# Allegro board rfmc_frontend_v1_00.brd (continued)
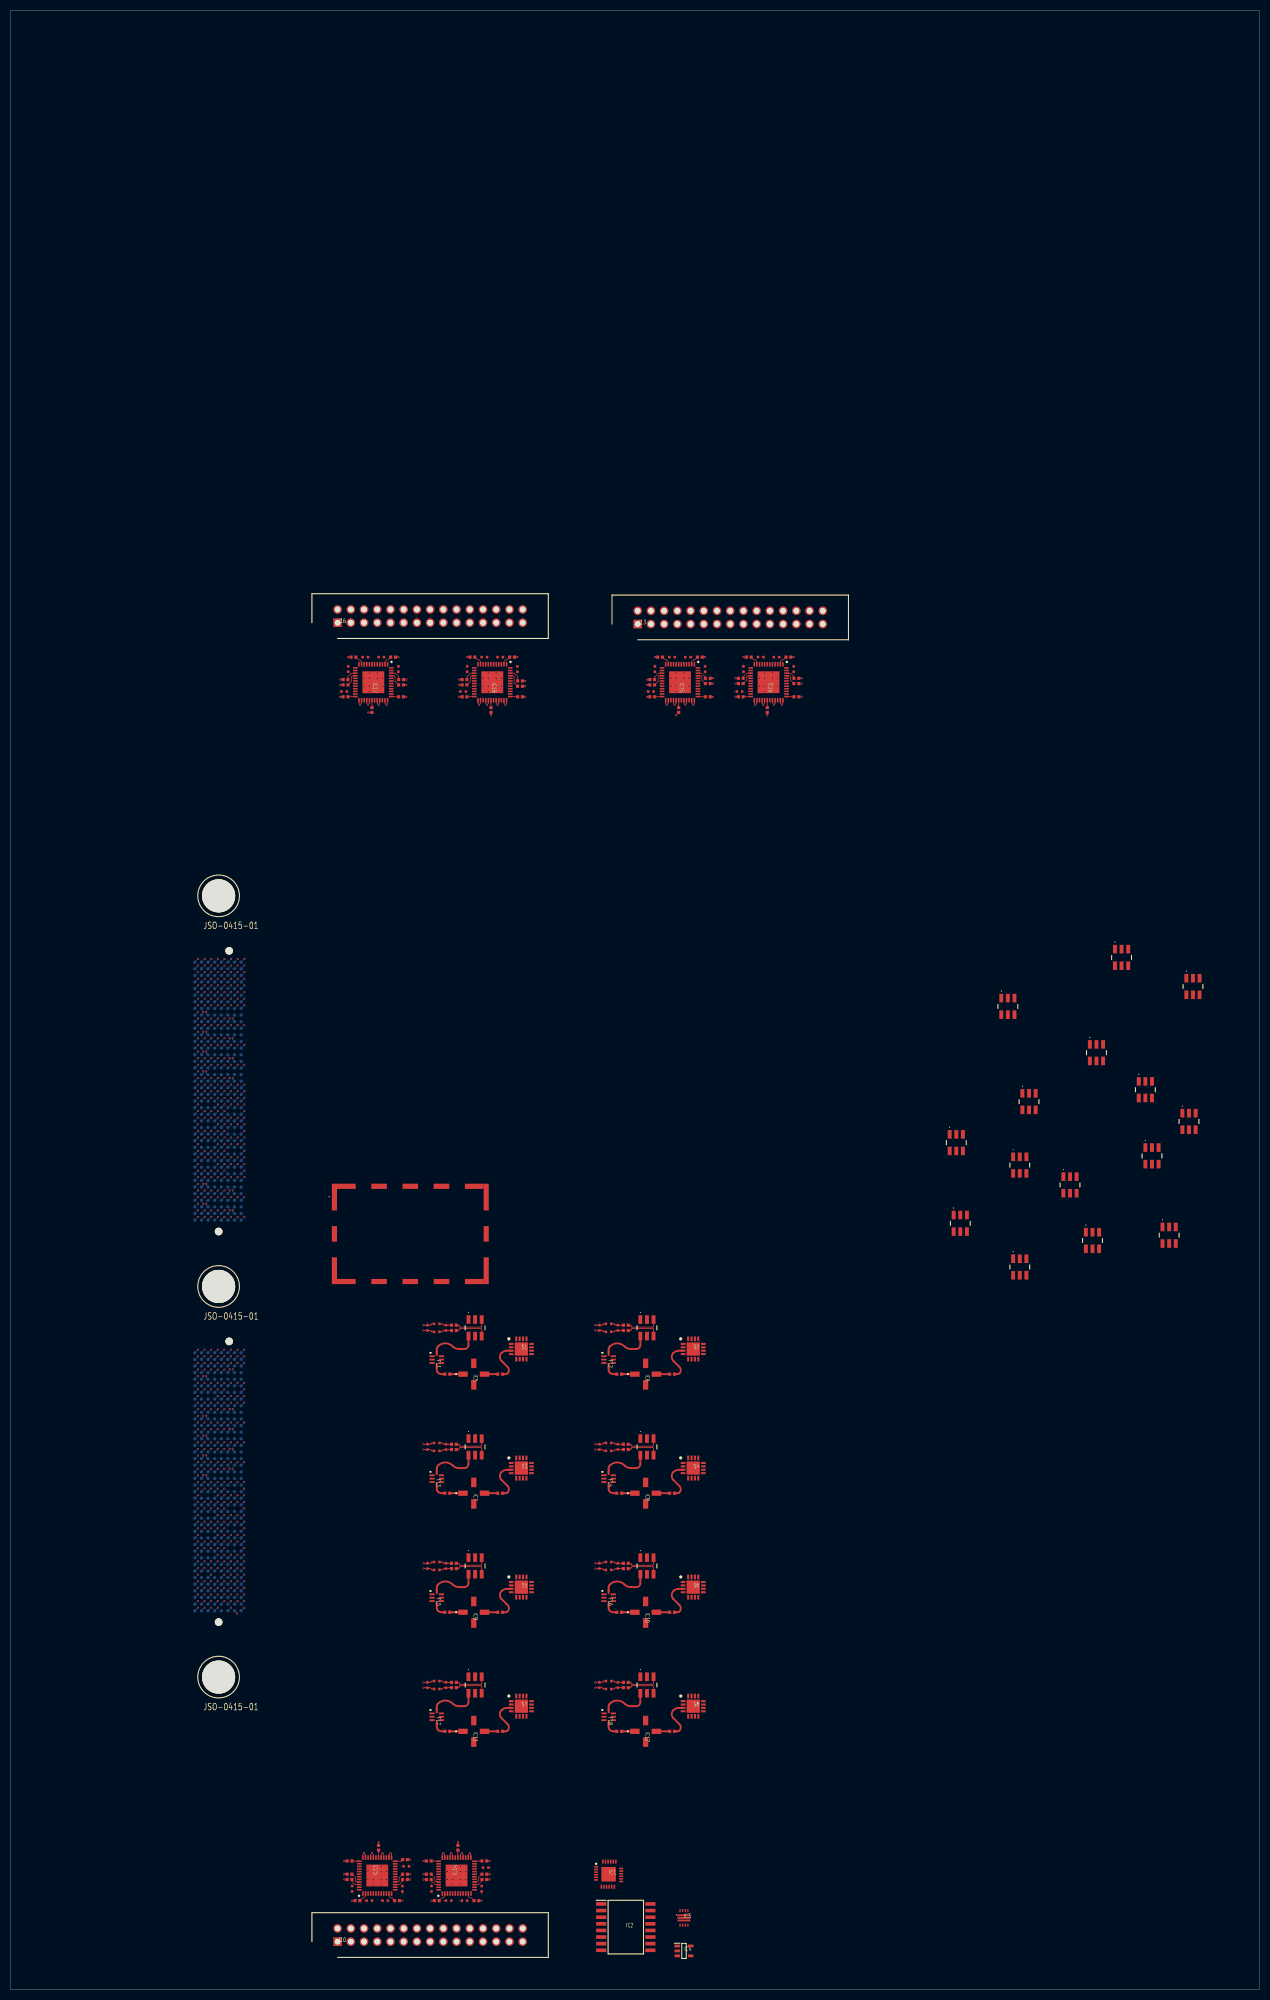
[diagram p0: board, top side]
## Routing (per net, layer and track width the routed paths; a pad name or vN(x,y) marks a point on that pad's centre or on a via; arc(x,y) is an arc through that point) (continued)
ADC_00_N: length 10.8
  RF_SIG w0.124: v1(37.63,187.74) 37.62,187.74 37.5,187.86 arc(37.45,188.1) 37.65,188.24 37.66,188.24 arc(38,188.17) 38.29,187.99 arc(38.42,187.9) 38.57,187.87 46.86,187.87
  BOTTOM w0.124: J21.F9 37.63,187.45 v1(37.63,187.74)
ADC_00_P: length 11.3
  RF_SIG w0.124: v1(37.04,187.74) 37.04,187.38 arc(37.06,187.29) 37.12,187.21 37.12,187.2 arc(37.26,187.11) 37.42,187.08 arc(37.55,187.1) 37.66,187.18 37.71,187.23 arc(38.13,187.51) 38.62,187.6 46.86,187.6
  BOTTOM w0.124: J21.G9 37.04,187.45 v1(37.04,187.74)
ADC_01_N: length 10.8
  RF_SIG w0.124: 51.94,186.6 43.65,186.6 arc(43.5,186.63) 43.37,186.72 arc(43.08,186.9) 42.74,186.97 42.73,186.97 arc(42.53,186.83) 42.58,186.59 42.7,186.47 v1(42.71,186.47)
  BOTTOM w0.124: v1(42.71,186.47) 42.71,186.18 J21.B10
ADC_01_P: length 11.3
  RF_SIG w0.124: 51.94,186.33 43.7,186.33 arc(43.21,186.24) 42.79,185.96 42.74,185.91 arc(42.63,185.83) 42.5,185.81 arc(42.34,185.84) 42.2,185.93 42.2,185.94 arc(42.14,186.02) 42.12,186.11 v1(42.12,186.47)
  BOTTOM w0.124: v1(42.12,186.47) 42.12,186.18 J21.C10
ADC_02_N: length 10.8
  RF_SIG w0.124: 46.86,184.06 38.57,184.06 arc(38.42,184.09) 38.29,184.18 arc(38,184.36) 37.66,184.43 37.65,184.43 arc(37.45,184.29) 37.5,184.05 37.62,183.93 v1(37.63,183.93)
  BOTTOM w0.124: J21.F12 37.63,183.64 v1(37.63,183.93)
ADC_02_P: length 11.3
  RF_SIG w0.124: 46.86,183.79 38.62,183.79 arc(38.13,183.7) 37.71,183.42 37.66,183.37 arc(37.55,183.29) 37.42,183.27 arc(37.26,183.3) 37.12,183.39 37.12,183.4 arc(37.06,183.48) 37.04,183.57 v1(37.04,183.93)
  BOTTOM w0.124: v1(37.04,183.93) 37.04,183.64 J21.G12
ADC_03_N: length 10.8
  RF_SIG w0.124: 51.94,182.79 43.65,182.79 arc(43.5,182.82) 43.37,182.91 arc(43.08,183.09) 42.74,183.16 42.73,183.16 arc(42.53,183.02) 42.58,182.78 42.7,182.66 v1(42.71,182.66)
  BOTTOM w0.124: J21.B13 42.71,182.37 v1(42.71,182.66)
ADC_03_P: length 11.3
  RF_SIG w0.124: v1(42.12,182.66) 42.12,182.3 arc(42.14,182.21) 42.2,182.13 42.2,182.12 arc(42.34,182.03) 42.5,182 arc(42.63,182.02) 42.74,182.1 42.79,182.15 arc(43.21,182.43) 43.7,182.52 51.94,182.52
  BOTTOM w0.124: v1(42.12,182.66) 42.12,182.37 J21.C13
ADC_04_N: length 10.8
  RF_SIG w0.124: v1(37.63,180.12) 37.62,180.12 37.5,180.24 arc(37.45,180.48) 37.65,180.62 37.66,180.62 arc(38,180.55) 38.29,180.37 arc(38.42,180.28) 38.57,180.25 46.86,180.25
  BOTTOM w0.124: v1(37.63,180.12) 37.63,179.83 J21.F15
ADC_04_P: length 11.3
  RF_SIG w0.124: 46.86,179.98 38.62,179.98 arc(38.13,179.89) 37.71,179.61 37.66,179.56 arc(37.55,179.48) 37.42,179.46 arc(37.26,179.49) 37.12,179.58 37.12,179.59 arc(37.06,179.67) 37.04,179.76 v1(37.04,180.12)
  BOTTOM w0.124: J21.G15 37.04,179.83 v1(37.04,180.12)
ADC_05_N: length 10.8
  RF_SIG w0.124: 51.94,178.98 43.65,178.98 arc(43.5,179.01) 43.37,179.1 arc(43.08,179.28) 42.74,179.35 42.73,179.35 arc(42.53,179.21) 42.58,178.97 42.7,178.85 v1(42.71,178.85)
  BOTTOM w0.124: v1(42.71,178.85) 42.71,178.56 J21.B16
ADC_05_P: length 11.3
  RF_SIG w0.124: v1(42.12,178.85) 42.12,178.49 arc(42.14,178.4) 42.2,178.32 42.2,178.31 arc(42.34,178.22) 42.5,178.19 arc(42.63,178.21) 42.74,178.29 42.79,178.34 arc(43.21,178.62) 43.7,178.71 51.94,178.71
  BOTTOM w0.124: v1(42.12,178.85) 42.12,178.56 J21.C16
ADC_06_N: length 10.8
  RF_SIG w0.124: v1(37.63,176.31) 37.62,176.31 37.5,176.43 arc(37.45,176.67) 37.65,176.81 37.66,176.81 arc(38,176.74) 38.29,176.56 arc(38.42,176.47) 38.57,176.44 46.86,176.44
  BOTTOM w0.124: v1(37.63,176.31) 37.63,176.02 J21.F18
ADC_06_P: length 11.3
  RF_SIG w0.124: 46.86,176.17 38.62,176.17 arc(38.13,176.08) 37.71,175.8 37.66,175.75 arc(37.55,175.67) 37.42,175.65 arc(37.26,175.68) 37.12,175.77 37.12,175.78 arc(37.06,175.86) 37.04,175.95 v1(37.04,176.31)
  BOTTOM w0.124: J21.G18 37.04,176.02 v1(37.04,176.31)
ADC_07_N: length 10.8
  RF_SIG w0.124: 51.94,175.17 43.65,175.17 arc(43.5,175.2) 43.37,175.29 arc(43.08,175.47) 42.74,175.54 42.73,175.54 arc(42.53,175.4) 42.58,175.16 42.7,175.04 v1(42.71,175.04)
  BOTTOM w0.124: v1(42.71,175.04) 42.71,174.75 J21.B19
ADC_07_P: length 11.3
  RF_SIG w0.124: v1(42.12,175.04) 42.12,174.68 arc(42.14,174.59) 42.2,174.51 42.2,174.5 arc(42.34,174.41) 42.5,174.38 arc(42.63,174.4) 42.74,174.48 42.79,174.53 arc(43.21,174.81) 43.7,174.9 51.94,174.9
  BOTTOM w0.124: J21.C19 42.12,174.75 v1(42.12,175.04)
ADC_CLK_N_0: length 10.8
  RF_SIG w0.124: 51.94,153.58 43.65,153.58 arc(43.5,153.61) 43.37,153.7 arc(43.08,153.88) 42.74,153.95 42.73,153.95 arc(42.53,153.81) 42.58,153.57 42.7,153.45 v1(42.71,153.45)
  BOTTOM w0.124: v1(42.71,153.45) 42.71,153.16 J21.B36
ADC_CLK_N_1: length 10.8
  RF_SIG w0.124: 46.86,154.85 38.57,154.85 arc(38.42,154.88) 38.29,154.97 arc(38,155.15) 37.66,155.22 37.65,155.22 arc(37.45,155.08) 37.5,154.84 37.62,154.72 v1(37.63,154.72)
  BOTTOM w0.124: J21.F35 37.63,154.43 v1(37.63,154.72)
ADC_CLK_N_2: length 10.8
  RF_SIG w0.124: 51.94,149.77 43.65,149.77 arc(43.5,149.8) 43.37,149.89 arc(43.08,150.07) 42.74,150.14 42.73,150.14 arc(42.53,150) 42.58,149.76 42.7,149.64 v1(42.71,149.64)
  BOTTOM w0.124: v1(42.71,149.64) 42.71,149.35 J21.B39
ADC_CLK_N_3: length 10.8
  RF_SIG w0.124: v1(37.63,150.91) 37.62,150.91 37.5,151.03 arc(37.45,151.27) 37.65,151.41 37.66,151.41 arc(38,151.34) 38.29,151.16 arc(38.42,151.07) 38.57,151.04 46.86,151.04
  BOTTOM w0.124: v1(37.63,150.91) 37.63,150.62 J21.F38
ADC_CLK_P_0: length 11.3
  RF_SIG w0.124: 51.94,153.31 43.7,153.31 arc(43.21,153.22) 42.79,152.94 42.74,152.89 arc(42.63,152.81) 42.5,152.79 arc(42.34,152.82) 42.2,152.91 42.2,152.92 arc(42.14,153) 42.12,153.09 v1(42.12,153.45)
  BOTTOM w0.124: v1(42.12,153.45) 42.12,153.16 J21.C36
ADC_CLK_P_1: length 11.3
  RF_SIG w0.124: v1(37.04,154.72) 37.04,154.36 arc(37.06,154.27) 37.12,154.19 37.12,154.18 arc(37.26,154.09) 37.42,154.06 arc(37.55,154.08) 37.66,154.16 37.71,154.21 arc(38.13,154.49) 38.62,154.58 46.86,154.58
  BOTTOM w0.124: J21.G35 37.04,154.43 v1(37.04,154.72)
ADC_CLK_P_2: length 11.3
  RF_SIG w0.124: v1(42.12,149.64) 42.12,149.28 arc(42.14,149.19) 42.2,149.11 42.2,149.1 arc(42.34,149.01) 42.5,148.98 arc(42.63,149) 42.74,149.08 42.79,149.13 arc(43.21,149.41) 43.7,149.5 51.94,149.5
  BOTTOM w0.124: J21.C39 42.12,149.35 v1(42.12,149.64)
ADC_CLK_P_3: length 11.3
  RF_SIG w0.124: v1(37.04,150.91) 37.04,150.55 arc(37.06,150.46) 37.12,150.38 37.12,150.37 arc(37.26,150.28) 37.42,150.25 arc(37.55,150.27) 37.66,150.35 37.71,150.4 arc(38.13,150.68) 38.62,150.77 46.86,150.77
  BOTTOM w0.124: v1(37.04,150.91) 37.04,150.62 J21.G38
ADCIO_00: length 122.4
  TOP w0.127: IC15.33 129.9,246.92 v1(129.66,246.69) 129.4,246.96 IC15.32
  RF_SIG w0.231: v1(129.66,246.69) 129.66,245.17 126.36,241.86 101.72,241.86 90.29,230.43 56.26,230.43 49.91,224.08 49.91,207.57 45.92,203.59 45.92,197.59 v1(44.95,196.63)
  BOTTOM w0.124: J21.A2 v1(44.95,196.63)
ADCIO_01: length 138.2
  TOP w0.127: IC16.28 144.41,246.92 v1(144.65,246.69) 144.91,246.96 IC16.29
  D_SIG w0.231: v1(44.95,194.09) 46.58,194.09 49.4,196.91 49.4,199.45 55.24,205.29 55.24,221.8 58.29,224.85 92.32,224.85 104.26,236.78 139.31,236.78 144.65,242.12 v1(144.65,246.69)
  BOTTOM w0.124: J21.A4 v1(44.95,194.09)
ADCIO_02: length 120.9
  TOP w0.127: IC15.28 127.4,246.92 v1(127.63,246.69) 127.9,246.96 IC15.29
  D_SIG w0.231: v1(43.68,197.9) 43.68,203.38 48.13,207.83 48.13,224.59 55.75,232.21 89.53,232.21 100.71,243.39 125.85,243.39 127.63,245.17 v1(127.63,246.69)
  BOTTOM w0.124: v1(43.68,197.9) J21.B1
ADCIO_03: length 125.6
  TOP w0.127: IC15.36 131.4,246.9 v1(131.19,246.69) 130.9,246.98 IC15.35
  D_SIG w0.231: v1(43.68,195.36) 44.22,195.89 45.08,195.89 47.11,197.92 47.11,202.49 51.68,207.07 51.68,223.32 57.02,228.66 91.05,228.66 102.74,240.34 127.88,240.34 131.19,243.64 v1(131.19,246.69)
  BOTTOM w0.124: v1(43.68,195.36) J21.B3
ADCIO_04: length 143.2
  TOP w0.127: IC16.36 148.41,246.9 v1(148.2,246.69) 147.91,246.98 IC16.35
  D_SIG w0.231: v1(148.2,246.69) 148.2,241.1 140.33,233.23 105.79,233.23 94.1,221.54 59.56,221.54 58.8,220.78 58.8,204.27 46.6,192.08 44.42,192.08 v1(43.68,192.82)
  BOTTOM w0.124: v1(43.68,192.82) J21.B5
ADCIO_05: length 122.5
  TOP w0.127: IC15.26 126.4,246.98 v1(126.11,246.69) 125.9,246.9 IC15.25
  RF_SIG w0.231: v1(42.41,196.63) 43.03,197.24 43.03,198.89 43.13,198.99 43.13,199.9 43.03,200.01 43.03,204.5 46.35,207.83 46.35,225.1 54.99,233.74 88.51,233.74 99.69,244.91 125.6,244.91 126.11,245.42 v1(126.11,246.69)
  BOTTOM w0.124: J21.C2 v1(42.41,196.63)
ADCIO_06: length 139.5
  TOP w0.127: IC16.26 143.41,246.98 v1(143.12,246.69) 142.91,246.9 IC16.25
  RF_SIG w0.231: v1(42.41,194.09) 42.95,194.62 46.1,194.62 48.38,196.91 48.38,200.97 53.46,206.05 53.46,222.56 57.78,226.88 91.82,226.88 103.5,238.56 138.55,238.56 143.12,243.13 v1(143.12,246.69)
  BOTTOM w0.124: J21.C4 v1(42.41,194.09)
ADCIO_07: length 108.5
  TOP w0.127: IC18.36 95.33,246.9 v1(95.12,246.69) 94.83,246.98 IC18.35
  D_SIG w0.231: v1(95.12,246.69) 95.12,242.88 87.5,235.26 37.71,235.26 34.67,232.21 34.67,206.3 40,200.97 40,199.04 v1(41.14,197.9)
  BOTTOM w0.124: J21.D1 v1(41.14,197.9)
ADCIO_08: length 109.4
  TOP w0.127: IC17.32 70.47,246.96 v1(70.73,246.69) 70.97,246.92 IC17.33
  RF_SIG w0.231: v1(41.14,195.36) 40.51,194.72 29.74,194.72 25.01,199.45 25.01,236.78 31.11,242.88 68.7,242.88 70.73,244.91 v1(70.73,246.69)
  BOTTOM w0.124: J21.D3 v1(41.14,195.36)
ADCIO_09: length 143.9
  TOP w0.127: IC16.32 146.41,246.96 v1(146.68,246.69) 146.91,246.92 IC16.33
  RF_SIG w0.231: v1(41.14,192.82) 41.68,193.35 46.86,193.35 50.54,197.03 50.54,198.3 57.02,204.78 57.02,221.29 58.8,223.07 93.09,223.07 105.02,235.01 139.82,235.01 146.68,241.86 v1(146.68,246.69)
  BOTTOM w0.124: J21.D5 v1(41.14,192.82)
ADCIO_10: length 110.3
  TOP w0.127: IC18.33 93.83,246.92 v1(93.59,246.69) 93.33,246.96 IC18.32
  RF_SIG w0.231: v1(39.87,196.63) 39.09,197.41 39.09,198.58 32.89,204.78 32.89,232.97 36.7,236.78 86.74,236.78 93.59,243.64 v1(93.59,246.69)
  BOTTOM w0.124: J21.E2 v1(39.87,196.63)
ADCIO_11: length 110.5
  TOP w0.127: IC17.29 68.97,246.96 v1(68.7,246.69) 68.47,246.92 IC17.28
  D_SIG w0.231: v1(68.7,246.69) 66.42,244.4 29.84,244.4 22.98,237.55 22.98,198.94 28.57,193.35 39.14,193.35 v1(39.87,194.09)
  BOTTOM w0.124: J21.E4 v1(39.87,194.09)
ADCIO_12: length 110.1
  TOP w0.127: IC18.29 91.83,246.96 v1(91.56,246.69) 91.33,246.92 IC18.28
  D_SIG w0.231: v1(38.6,197.9) 38.07,198.43 35.17,198.43 30.86,202.75 30.86,233.74 35.43,238.31 83.94,238.31 91.56,245.93 v1(91.56,246.69)
  BOTTOM w0.124: J21.F1 v1(38.6,197.9)
ADCIO_13: length 103.6
  TOP w0.127: IC17.35 71.97,246.98 v1(72.26,246.69) 72.47,246.9 IC17.36
  D_SIG w0.231: v1(38.6,195.36) 38.07,195.89 31.62,195.89 27.05,200.46 27.05,236.02 32.38,241.36 70.23,241.36 72.26,243.39 v1(72.26,246.69)
  BOTTOM w0.124: J21.F3 v1(38.6,195.36)
ADCIO_14: length 113.2
  TOP w0.127: IC17.25 66.97,246.9 v1(67.18,246.69) 67.47,246.98 IC17.26
  RF_SIG w0.231: v1(67.18,246.69) 66.42,245.93 28.32,245.93 20.95,238.56 20.95,198.43 27.3,192.08 37.87,192.08 v1(38.6,192.82)
  BOTTOM w0.124: J21.F5 v1(38.6,192.82)
ADCIO_15: length 112.8
  TOP w0.127: IC18.26 90.33,246.98 v1(90.04,246.69) 89.83,246.9 IC18.25
  RF_SIG w0.231: v1(37.33,196.63) 36.55,197.41 35.86,197.41 35.85,197.41 33.14,197.41 28.82,201.73 28.82,235.01 33.65,239.83 83.18,239.83 v1(90.04,246.69)
  BOTTOM w0.124: J21.G2 v1(37.33,196.63)
ADCIO_16: length 0.9
  BOTTOM w0.124: J21.G4 v1(37.33,194.09)
ADCIO_17: length 0.9
  BOTTOM w0.124: J21.H1 v1(36.06,197.9)
ADCIO_18: length 0.9
  BOTTOM w0.124: J21.H3 v1(36.06,195.36)
ADCIO_VADJ: length 1.8
  BOTTOM w0.124: J21.C6 v1(42.41,191.55) ; J21.A6 v1(44.95,191.55)
DAC_00_N: length 52.4
  TOP w0.15: R25.1 81.03,127.82 arc(80.96,127.8) 80.9,127.76 80.76,127.62 arc(80.7,127.58) 80.63,127.57 R23.1 80.12,127.56 v1(79.37,127.56)
  RF_SIG w0.124: v1(79.37,127.56) 79.03,127.23 arc(78.99,127.2) 78.95,127.19 75.68,127.19 arc(74.69,126.78) 74.27,125.79 74.27,118.39 arc(73.83,116.17) 72.58,114.29 arc(69.65,112.34) 66.2,111.65 44.57,111.65 44.44,111.78 44.44,111.95 44.32,112.07 44.19,112.07 44.06,111.95 44.06,111.78 43.94,111.65 43.7,111.65 arc(43.48,111.7) 43.3,111.82 arc(43.05,111.92) 42.79,111.82 arc(42.73,111.72) 42.71,111.61 v1(42.71,111.46)
  BOTTOM w0.124: v1(42.71,111.46) 42.71,111.18 J20.B10
DAC_00_P: length 52.5
  TOP w0.15: v1(79.37,126.55) 80.12,126.55 R23.2 80.63,126.54 arc(80.7,126.53) 80.76,126.49 80.9,126.35 arc(80.96,126.31) 81.03,126.29 R22.1
  RF_SIG w0.124: v1(79.37,126.55) 79.03,126.89 arc(78.99,126.91) 78.95,126.92 75.68,126.92 arc(74.88,126.59) 74.54,125.79 74.54,118.39 arc(74.08,116.07) 72.77,114.1 arc(69.76,112.09) 66.21,111.38 44.07,111.38 arc(44.07,111.38) 44.06,111.38 43.48,111.38 arc(43.39,111.36) 43.3,111.31 43.05,111.05 arc(42.67,110.9) 42.29,111.05 arc(42.17,111.23) 42.12,111.45 v1(42.12,111.46)
  BOTTOM w0.124: v1(42.12,111.46) 42.12,111.18 J20.C10
DAC_01_N: length 92
  TOP w0.15: v1(112.39,127.56) 113.14,127.56 R35.1 113.65,127.57 arc(113.72,127.58) 113.78,127.62 113.92,127.76 arc(113.98,127.8) 114.05,127.82 R37.1
  RF_SIG w0.124: v1(37.63,110.19) 37.63,110.34 arc(37.65,110.45) 37.71,110.55 arc(37.97,110.65) 38.22,110.55 arc(38.4,110.43) 38.62,110.38 38.98,110.38 arc(38.99,110.38) 38.99,110.38 39.87,110.38 40,110.51 40,110.68 40.12,110.8 40.25,110.8 40.38,110.68 40.38,110.51 40.51,110.38 99.37,110.38 arc(103.15,111.14) 106.36,113.28 arc(107.24,114.6) 107.55,116.15 107.55,126.04 arc(107.89,126.85) 108.7,127.19 111.97,127.19 arc(112.01,127.2) 112.05,127.23 v1(112.39,127.56)
  BOTTOM w0.124: v1(37.63,110.19) 37.63,109.91 J20.F11
DAC_01_P: length 92.2
  TOP w0.15: v1(112.39,126.55) 113.14,126.55 R35.2 113.65,126.54 arc(113.72,126.53) 113.78,126.49 113.92,126.35 arc(113.98,126.31) 114.05,126.29 R34.1
  RF_SIG w0.124: v1(112.39,126.55) 112.05,126.89 arc(112.01,126.91) 111.97,126.92 108.7,126.92 arc(108.08,126.66) 107.82,126.04 107.82,116.15 arc(107.49,114.49) 106.55,113.09 arc(103.26,110.89) 99.37,110.11 38.99,110.11 arc(38.99,110.11) 38.98,110.11 38.4,110.11 arc(38.31,110.09) 38.22,110.04 37.97,109.78 arc(37.59,109.63) 37.21,109.78 arc(37.09,109.96) 37.04,110.18 v1(37.04,110.19)
  BOTTOM w0.124: J20.G11 37.04,109.91 v1(37.04,110.19)
DAC_02_N: length 41.6
  TOP w0.15: R49.1 81.03,104.96 arc(80.96,104.94) 80.9,104.9 80.76,104.76 arc(80.7,104.72) 80.63,104.71 R47.1 80.12,104.7 v1(79.37,104.7)
  RF_SIG w0.124: v1(42.71,107.65) 42.71,107.8 arc(42.73,107.91) 42.79,108.01 arc(43.05,108.11) 43.3,108.01 arc(43.48,107.89) 43.7,107.84 44.96,107.84 45.08,107.97 45.08,108.14 45.2,108.26 45.38,108.26 45.51,108.14 45.51,107.97 45.63,107.84 64.53,107.84 arc(67.71,107.21) 70.42,105.4 arc(71.6,104.61) 73,104.33 78.95,104.33 arc(78.99,104.34) 79.03,104.37 v1(79.37,104.7)
  BOTTOM w0.124: v1(42.71,107.65) 42.71,107.37 J20.B13
DAC_02_P: length 41.7
  TOP w0.15: R46.1 81.03,103.43 arc(80.96,103.45) 80.9,103.49 80.76,103.63 arc(80.7,103.67) 80.63,103.68 R47.2 80.12,103.69 v1(79.37,103.69)
  RF_SIG w0.124: v1(79.37,103.69) 79.03,104.03 arc(78.99,104.05) 78.95,104.06 73,104.06 arc(71.5,104.36) 70.23,105.21 arc(67.61,106.96) 64.52,107.57 44.07,107.57 arc(44.07,107.57) 44.06,107.57 43.48,107.57 arc(43.39,107.55) 43.3,107.5 43.05,107.24 arc(42.67,107.09) 42.29,107.24 arc(42.17,107.42) 42.12,107.64 v1(42.12,107.65)
  BOTTOM w0.124: v1(42.12,107.65) 42.12,107.37 J20.C13
DAC_03_N: length 104.3
  TOP w0.15: v1(112.39,104.7) 113.14,104.7 R59.1 113.65,104.71 arc(113.72,104.72) 113.78,104.76 113.92,104.9 arc(113.98,104.94) 114.05,104.96 R61.1
  RF_SIG w0.124: v1(37.63,106.38) 37.63,106.53 arc(37.65,106.64) 37.71,106.74 arc(37.97,106.84) 38.22,106.74 arc(38.4,106.62) 38.62,106.57 38.98,106.57 arc(38.99,106.57) 38.99,106.57 39.87,106.57 40,106.7 40,106.86 40.12,106.99 40.3,106.99 40.43,106.86 40.43,106.7 40.55,106.57 60.72,106.57 arc(63.9,105.94) 66.61,104.13 arc(67.6,102.64) 67.96,100.88 67.96,93.78 arc(68.25,93.07) 68.96,92.78 78.35,92.78 arc(79.62,92.26) 80.15,90.99 80.15,89.97 arc(80.59,88.91) 81.66,88.46 101.72,88.46 arc(106.92,90.62) 109.07,95.81 109.07,102.93 arc(109.48,103.92) 110.48,104.33 111.97,104.33 arc(112.01,104.34) 112.05,104.37 v1(112.39,104.7)
  BOTTOM w0.124: J20.F14 37.63,106.1 v1(37.63,106.38)
DAC_03_P: length 104.5
  TOP w0.15: v1(112.39,103.69) 113.14,103.69 R59.2 113.65,103.68 arc(113.72,103.67) 113.78,103.63 113.92,103.49 arc(113.98,103.45) 114.05,103.43 R58.1
  RF_SIG w0.124: v1(112.39,103.69) 112.05,104.03 arc(112.01,104.05) 111.97,104.06 110.48,104.06 arc(109.67,103.73) 109.34,102.93 109.34,95.81 arc(107.11,90.43) 101.72,88.19 81.66,88.19 arc(80.4,88.71) 79.88,89.97 79.88,90.99 arc(79.43,92.07) 78.35,92.51 68.96,92.51 arc(68.06,92.88) 67.69,93.78 67.69,100.88 arc(67.36,102.54) 66.42,103.94 arc(63.8,105.69) 60.71,106.3 38.99,106.3 arc(38.99,106.3) 38.98,106.3 38.4,106.3 arc(38.31,106.28) 38.22,106.23 37.97,105.97 arc(37.59,105.82) 37.21,105.97 arc(37.09,106.15) 37.04,106.37 v1(37.04,106.38)
  BOTTOM w0.124: v1(37.04,106.38) 37.04,106.1 J20.G14
DAC_04_N: length 59.3
  TOP w0.15: R73.1 81.03,82.1 arc(80.96,82.08) 80.9,82.04 80.76,81.9 arc(80.7,81.86) 80.63,81.85 R71.1 80.12,81.84 v1(79.37,81.84)
  RF_SIG w0.124: v1(42.71,103.84) 42.71,103.99 arc(42.73,104.1) 42.79,104.2 arc(43.05,104.3) 43.3,104.2 arc(43.48,104.08) 43.7,104.03 45.46,104.03 45.59,104.16 45.59,104.33 45.71,104.45 45.89,104.45 46.01,104.33 46.01,104.16 46.14,104.03 60.57,104.03 arc(62.25,103.7) 63.67,102.75 arc(64.21,101.94) 64.4,100.99 64.4,92.26 arc(64.92,91.01) 66.16,90.5 72.77,90.5 arc(74.93,89.6) 75.83,87.43 75.83,82.35 arc(76.09,81.73) 76.71,81.47 78.95,81.47 arc(78.99,81.48) 79.03,81.51 v1(79.37,81.84)
  BOTTOM w0.124: J20.B16 42.71,103.56 v1(42.71,103.84)
DAC_04_P: length 59.4
  TOP w0.15: v1(79.37,80.83) 80.12,80.83 R71.2 80.63,80.82 arc(80.7,80.81) 80.76,80.77 80.9,80.63 arc(80.96,80.59) 81.03,80.57 R70.1
  RF_SIG w0.124: v1(79.37,80.83) 79.03,81.17 arc(78.99,81.19) 78.95,81.2 76.71,81.2 arc(75.9,81.54) 75.56,82.35 75.56,87.43 arc(74.74,89.41) 72.77,90.23 66.16,90.23 arc(64.73,90.82) 64.13,92.26 64.13,100.99 arc(63.96,101.84) 63.48,102.56 arc(62.15,103.45) 60.57,103.76 43.48,103.76 arc(43.39,103.74) 43.3,103.69 43.05,103.43 arc(42.67,103.28) 42.29,103.43 arc(42.17,103.61) 42.12,103.83 v1(42.12,103.84)
  BOTTOM w0.124: J20.C16 42.12,103.56 v1(42.12,103.84)
DAC_05_N: length 125.4
  TOP w0.15: R85.1 114.05,82.1 arc(113.98,82.08) 113.92,82.04 113.78,81.9 arc(113.72,81.86) 113.65,81.85 R83.1 113.14,81.84 v1(112.39,81.84)
  RF_SIG w0.124: v1(112.39,81.84) 112.05,81.51 arc(112.01,81.48) 111.97,81.47 arc(108.13,79.88) 106.55,76.05 106.55,70.92 arc(104.39,65.71) 99.18,63.56 77.31,63.56 arc(74.47,64.73) 73.29,67.58 73.29,84.13 arc(72.32,86.48) 69.97,87.45 62.92,87.45 arc(61.09,88.21) 60.34,90.04 60.34,100.21 arc(59.59,102.01) 57.78,102.76 40.67,102.76 40.51,102.93 40.51,103.26 40.38,103.39 40.21,103.39 40.08,103.26 40.08,102.89 39.95,102.76 38.99,102.76 arc(38.99,102.76) 38.98,102.76 38.62,102.76 arc(38.4,102.81) 38.22,102.93 arc(37.97,103.03) 37.71,102.93 arc(37.65,102.83) 37.63,102.72 v1(37.63,102.57)
  BOTTOM w0.124: v1(37.63,102.57) 37.63,102.29 J20.F17
DAC_05_P: length 125.2
  TOP w0.15: v1(112.39,80.83) 113.14,80.83 R83.2 113.65,80.82 arc(113.72,80.81) 113.78,80.77 113.92,80.63 arc(113.98,80.59) 114.05,80.57 R82.1
  RF_SIG w0.124: v1(37.04,102.57) 37.04,102.56 arc(37.09,102.34) 37.21,102.16 arc(37.59,102.01) 37.97,102.16 38.22,102.42 arc(38.31,102.47) 38.4,102.49 38.98,102.49 arc(38.99,102.49) 38.99,102.49 57.78,102.49 arc(59.4,101.82) 60.07,100.21 60.07,90.04 arc(60.9,88.01) 62.92,87.18 69.97,87.18 arc(72.13,86.29) 73.02,84.13 73.02,67.58 arc(74.28,64.54) 77.31,63.29 99.18,63.29 arc(104.58,65.52) 106.82,70.92 106.82,76.05 arc(108.33,79.69) 111.97,81.2 arc(112.01,81.19) 112.05,81.17 v1(112.39,80.83)
  BOTTOM w0.124: J20.G17 37.04,102.29 v1(37.04,102.57)
DAC_06_N: length 75.2
  TOP w0.15: v1(79.37,58.98) 80.12,58.98 R95.1 80.63,58.99 arc(80.7,59) 80.76,59.04 80.9,59.18 arc(80.96,59.22) 81.03,59.24 R97.1
  RF_SIG w0.124: v1(79.37,58.98) 79.03,58.65 arc(78.99,58.62) 78.95,58.61 74.89,58.61 arc(73.16,58.95) 71.69,59.94 arc(70.8,61.26) 70.5,62.81 70.5,81.84 arc(69.75,83.65) 67.94,84.4 62.43,84.4 arc(59.88,84.91) 57.72,86.35 arc(56.83,87.67) 56.53,89.23 56.53,96.14 arc(55.33,99.03) 52.45,100.22 45.63,100.22 45.51,100.35 45.51,100.52 45.38,100.64 45.2,100.64 45.08,100.52 45.08,100.35 44.96,100.22 43.7,100.22 arc(43.48,100.27) 43.3,100.39 arc(43.05,100.49) 42.79,100.39 arc(42.73,100.29) 42.71,100.18 v1(42.71,100.03)
  BOTTOM w0.124: v1(42.71,100.03) 42.71,99.75 J20.B19
DAC_06_P: length 75.4
  TOP w0.15: R94.1 81.03,57.71 arc(80.96,57.73) 80.9,57.77 80.76,57.91 arc(80.7,57.95) 80.63,57.96 R95.2 80.12,57.97 v1(79.37,57.97)
  RF_SIG w0.124: v1(79.37,57.97) 79.03,58.31 arc(78.99,58.33) 78.95,58.34 74.89,58.34 arc(73.05,58.71) 71.5,59.75 arc(70.56,61.15) 70.23,62.81 70.23,81.84 arc(69.56,83.46) 67.94,84.13 62.43,84.13 arc(59.78,84.66) 57.53,86.16 arc(56.59,87.57) 56.26,89.23 56.26,96.14 arc(55.14,98.84) 52.45,99.95 44.07,99.95 arc(44.07,99.95) 44.06,99.95 43.48,99.95 arc(43.39,99.93) 43.3,99.88 43.05,99.62 arc(42.67,99.47) 42.29,99.62 arc(42.17,99.8) 42.12,100.02 v1(42.12,100.03)
  BOTTOM w0.124: v1(42.12,100.03) 42.12,99.75 J20.C19
DAC_07_N: length 136.9
  TOP w0.15: R109.1 114.05,59.24 arc(113.98,59.22) 113.92,59.18 113.78,59.04 arc(113.72,59) 113.65,58.99 R107.1 113.14,58.98 v1(112.39,58.98)
  RF_SIG w0.124: v1(37.63,98.76) 37.63,98.91 arc(37.65,99.02) 37.71,99.12 arc(37.97,99.22) 38.22,99.12 arc(38.4,99) 38.62,98.95 38.98,98.95 arc(38.99,98.95) 38.99,98.95 39.62,98.95 39.75,99.08 39.75,99.25 39.87,99.37 40.05,99.37 40.18,99.24 40.18,99.08 40.3,98.95 50.16,98.95 arc(52.15,98.13) 52.97,96.14 52.97,86.73 arc(53.15,85.84) 53.65,85.08 arc(57.79,82.32) 62.66,81.35 65.15,81.35 arc(67.13,80.53) 67.96,78.54 67.96,60.76 arc(69.85,51.24) 75.24,43.17 arc(77.41,41.73) 79.96,41.22 100.71,41.22 arc(102.95,41.67) 104.85,42.94 105.6,43.68 arc(107.42,46.41) 108.06,49.62 108.06,56.19 arc(108.77,57.9) 110.48,58.61 111.97,58.61 arc(112.01,58.62) 112.05,58.65 v1(112.39,58.98)
  BOTTOM w0.124: v1(37.63,98.76) 37.63,98.48 J20.F20
DAC_07_P: length 137
  TOP w0.15: R106.1 114.05,57.71 arc(113.98,57.73) 113.92,57.77 113.78,57.91 arc(113.72,57.95) 113.65,57.96 R107.2 113.14,57.97 v1(112.39,57.97)
  RF_SIG w0.124: v1(37.04,98.76) 37.04,98.75 arc(37.09,98.53) 37.21,98.35 arc(37.59,98.2) 37.97,98.35 38.22,98.61 arc(38.31,98.66) 38.4,98.68 38.98,98.68 arc(38.99,98.68) 38.99,98.68 50.16,98.68 arc(51.96,97.94) 52.7,96.14 52.7,86.73 arc(52.9,85.74) 53.46,84.89 arc(57.68,82.07) 62.66,81.08 65.15,81.08 arc(66.94,80.34) 67.69,78.54 67.69,60.76 arc(69.6,51.14) 75.05,42.98 arc(77.3,41.48) 79.96,40.95 100.71,40.95 arc(103.05,41.42) 105.04,42.75 105.79,43.49 arc(107.67,46.3) 108.33,49.62 108.33,56.19 arc(108.96,57.71) 110.48,58.34 111.97,58.34 arc(112.01,58.33) 112.05,58.31 v1(112.39,57.97)
  BOTTOM w0.124: v1(37.04,98.76) 37.04,98.48 J20.G20
DAC_AVTT: length 3.4
  BOTTOM w0.124: J20.H1 v1(36.03,122.86) ; J20.G2 v1(37.3,121.59) ; J20.H2 v1(36.03,121.59) ; J20.G1 v1(37.3,122.86)
DAC_CLK_N_0: length 8.8
  RF_SIG w0.124: v1(42.71,119.08) 42.71,119.23 arc(42.73,119.34) 42.79,119.44 arc(43.05,119.54) 43.3,119.44 arc(43.48,119.32) 43.7,119.27 50.34,119.27
  BOTTOM w0.124: v1(42.71,119.08) 42.71,118.8 J20.B4
DAC_CLK_N_1: length 11.1
  RF_SIG w0.124: v1(37.63,117.81) 37.63,117.96 arc(37.65,118.07) 37.71,118.17 arc(37.97,118.27) 38.22,118.17 arc(38.4,118.05) 38.62,118 38.98,118 arc(38.99,118) 38.99,118 47.54,118
  BOTTOM w0.124: v1(37.63,117.81) 37.63,117.53 J20.F5
DAC_CLK_P_0: length 9.5
  RF_SIG w0.124: 50.34,119 44.07,119 arc(44.07,119) 44.06,119 43.48,119 arc(43.39,118.98) 43.3,118.93 43.05,118.67 arc(42.67,118.52) 42.29,118.67 arc(42.17,118.85) 42.12,119.07 v1(42.12,119.08)
  BOTTOM w0.124: v1(42.12,119.08) 42.12,118.8 J20.C4
DAC_CLK_P_1: length 11.8
  RF_SIG w0.124: v1(37.04,117.81) 37.04,117.8 arc(37.09,117.58) 37.21,117.4 arc(37.59,117.25) 37.97,117.4 38.22,117.66 arc(38.31,117.71) 38.4,117.73 38.98,117.73 arc(38.99,117.73) 38.99,117.73 47.54,117.73
  BOTTOM w0.124: J20.G5 37.04,117.53 v1(37.04,117.81)
DACIO_00: length 79.4
  TOP w0.127: IC14.32 84.97,25.95 v1(84.7,26.22) 84.47,25.98 IC14.33
  RF_SIG w0.231: v1(84.7,26.22) 84.7,28.63 80.51,32.82 64.87,32.82 60.57,37.12 60.57,60.98 44.92,76.64 v1(44.92,77.14)
  BOTTOM w0.124: J20.A37 v1(44.92,77.14)
DACIO_01: length 66.6
  TOP w0.127: IC13.29 71.23,25.95 v1(71.5,26.22) 71.73,25.98 IC13.28
  D_SIG w0.231: v1(44.92,74.6) 44.92,74 45.39,73.53 45.39,72.86 59.05,59.2 59.05,33.79 63.35,29.49 70.88,29.49 71.5,28.88 v1(71.5,26.22)
  BOTTOM w0.124: J20.A39 v1(44.92,74.6)
DACIO_02: length 83
  TOP w0.127: IC14.28 86.97,25.98 v1(86.74,26.22) 86.47,25.95 IC14.29
  D_SIG w0.231: v1(43.65,78.41) 44.45,77.62 45.12,77.62 45.39,77.34 45.39,77.18 61.08,61.49 61.08,37.96 65.38,33.66 82.04,33.66 86.74,28.96 v1(86.74,26.22)
  BOTTOM w0.124: J20.B36 v1(43.65,78.41)
DACIO_03: length 69.3
  TOP w0.127: IC13.25 73.23,26.01 v1(73.02,26.22) 72.73,25.93 IC13.26
  RF_SIG w0.231: v1(43.65,75.87) 44.32,75.21 44.32,74.54 44.89,73.97 45.3,73.97 59.56,59.71 59.56,35.09 63.85,30.79 71.45,30.79 73.02,29.22 v1(73.02,26.22)
  BOTTOM w0.124: J20.B38 v1(43.65,75.87)
DACIO_04: length 61.8
  TOP w0.127: IC13.36 67.73,26.01 v1(67.94,26.22) 68.23,25.93 IC13.35
  D_SIG w0.231: v1(67.94,26.22) 67.94,26.59 67.3,27.23 62.33,27.23 58.03,31.53 58.03,57.93 44.11,71.86 43.89,71.86 v1(43.56,72.19)
  BOTTOM w0.124: J20.B40 43.56,72.23 v1(43.56,72.19)
DACIO_05: length 80.8
  TOP w0.127: IC14.36 82.97,26.01 v1(83.18,26.22) 83.47,25.93 IC14.35
  D_SIG w0.231: v1(42.38,77.14) 43.01,76.51 44.01,76.51 44.45,76.07 44.45,75.68 44.72,75.4 45.14,75.4 60.07,60.47 60.07,36.25 64.36,31.96 80.31,31.96 83.18,29.09 v1(83.18,26.22)
  BOTTOM w0.124: J20.C37 v1(42.38,77.14)
DACIO_06: length 65.6
  TOP w0.127: IC13.32 69.73,25.95 v1(69.46,26.22) 69.23,25.98 IC13.33
  RF_SIG w0.231: v1(69.46,26.22) 69.46,26.98 68.24,28.2 62.84,28.2 58.54,32.49 58.54,58.44 v1(42.38,74.6)
  BOTTOM w0.124: J20.C39 v1(42.38,74.6)
DACIO_07: length 86.7
  TOP w0.127: IC14.25 88.47,26.01 v1(88.26,26.22) 87.97,25.93 IC14.26
  RF_SIG w0.231: v1(88.26,26.22) 88.26,28.86 82.6,34.52 65.89,34.52 61.59,38.82 61.59,62 47.33,76.26 47.11,76.26 45.59,77.78 41.74,77.78 v1(41.11,78.41)
  BOTTOM w0.124: J20.D36 v1(41.11,78.41)
DACIO_08: length 0.8
  BOTTOM w0.124: J20.D38 v1(41.11,75.87)
DACIO_10: length 0.8
  BOTTOM w0.124: J20.E37 v1(39.84,77.14)
DACIO_11: length 0.8
  BOTTOM w0.124: J20.E39 v1(39.84,74.6)
DACIO_VADJ: length 1.7
  BOTTOM w0.124: J20.A35 v1(44.92,79.68) ; J20.C35 v1(42.38,79.68)
I2C_RESET: length 0.9
  BOTTOM w0.124: J21.H5 v1(36.06,192.82)
I2C_SCL: length 0.9
  BOTTOM w0.124: J21.G6 v1(37.33,191.55)
I2C_SDA: length 0.9
  BOTTOM w0.124: J21.E6 v1(39.87,191.55)
N00697_CH0: length 6.5
  TOP w0.15: C40.2 86.1,127.56 arc(86.2,127.52) 86.25,127.41 86.25,127.34 arc(86.29,127.23) 86.4,127.19 90.4,127.19 arc(90.5,127.23) 90.55,127.34 T8.3
N00697_CH1: length 6.5
  TOP w0.15: T10.3 123.57,127.34 arc(123.52,127.23) 123.42,127.19 119.42,127.19 arc(119.31,127.23) 119.27,127.34 119.27,127.41 arc(119.22,127.52) 119.12,127.56 C52.2
N00697_CH2: length 6.5
  TOP w0.15: T12.3 90.55,104.48 arc(90.5,104.37) 90.4,104.33 86.4,104.33 arc(86.29,104.37) 86.25,104.48 86.25,104.55 arc(86.2,104.66) 86.1,104.7 C64.2
N00697_CH3: length 6.5
  TOP w0.15: T14.3 123.57,104.48 arc(123.52,104.37) 123.42,104.33 119.42,104.33 arc(119.31,104.37) 119.27,104.48 119.27,104.55 arc(119.22,104.66) 119.12,104.7 C76.2
N00697_CH4: length 6.5
  TOP w0.15: T16.3 90.55,81.62 arc(90.5,81.51) 90.4,81.47 86.4,81.47 arc(86.29,81.51) 86.25,81.62 86.25,81.69 arc(86.2,81.8) 86.1,81.84 C88.2
N00697_CH5: length 6.5
  TOP w0.15: T18.3 123.57,81.62 arc(123.52,81.51) 123.42,81.47 119.42,81.47 arc(119.31,81.51) 119.27,81.62 119.27,81.69 arc(119.22,81.8) 119.12,81.84 C100.2
N00697_CH6: length 6.5
  TOP w0.15: C112.2 86.1,58.98 arc(86.2,58.94) 86.25,58.83 86.25,58.76 arc(86.29,58.65) 86.4,58.61 90.4,58.61 arc(90.5,58.65) 90.55,58.76 T20.3
N00697_CH7: length 6.5
  TOP w0.15: T22.3 123.57,58.76 arc(123.52,58.65) 123.42,58.61 119.42,58.61 arc(119.31,58.65) 119.27,58.76 119.27,58.83 arc(119.22,58.94) 119.12,58.98 C124.2
N00708_CH0: length 6.5
  TOP w0.15: T8.4 90.55,126.77 arc(90.5,126.88) 90.4,126.92 86.4,126.92 arc(86.29,126.88) 86.25,126.77 86.25,126.7 arc(86.2,126.59) 86.1,126.55 C38.2
N00708_CH1: length 6.5
  TOP w0.15: T10.4 123.57,126.77 arc(123.52,126.88) 123.42,126.92 119.42,126.92 arc(119.31,126.88) 119.27,126.77 119.27,126.7 arc(119.22,126.59) 119.12,126.55 C50.2
N00708_CH2: length 6.5
  TOP w0.15: T12.4 90.55,103.91 arc(90.5,104.02) 90.4,104.06 86.4,104.06 arc(86.29,104.02) 86.25,103.91 86.25,103.84 arc(86.2,103.73) 86.1,103.69 C62.2
N00708_CH3: length 6.5
  TOP w0.15: C74.2 119.12,103.69 arc(119.22,103.73) 119.27,103.84 119.27,103.91 arc(119.31,104.02) 119.42,104.06 123.42,104.06 arc(123.52,104.02) 123.57,103.91 T14.4
N00708_CH4: length 6.5
  TOP w0.15: C86.2 86.1,80.83 arc(86.2,80.87) 86.25,80.98 86.25,81.05 arc(86.29,81.16) 86.4,81.2 90.4,81.2 arc(90.5,81.16) 90.55,81.05 T16.4
N00708_CH5: length 6.5
  TOP w0.15: C98.2 119.12,80.83 arc(119.22,80.87) 119.27,80.98 119.27,81.05 arc(119.31,81.16) 119.42,81.2 123.42,81.2 arc(123.52,81.16) 123.57,81.05 T18.4
N00708_CH6: length 6.5
  TOP w0.15: T20.4 90.55,58.19 arc(90.5,58.3) 90.4,58.34 86.4,58.34 arc(86.29,58.3) 86.25,58.19 86.25,58.12 arc(86.2,58.01) 86.1,57.97 C110.2
N00708_CH7: length 6.5
  TOP w0.15: T22.4 123.57,58.19 arc(123.52,58.3) 123.42,58.34 119.42,58.34 arc(119.31,58.3) 119.27,58.19 119.27,58.12 arc(119.22,58.01) 119.12,57.97 C122.2
N01523_CH0: length 9.9
  TOP w0.351: FL1.8 81.91,122.96 arc(81.96,123.22) 82.11,123.44 82.17,123.5 arc(83.56,124.08) 84.96,123.5 arc(85.52,123.12) 86.18,122.99 87.24,122.99 arc(87.78,123.22) 88.01,123.75 T8.6
N01523_CH1: length 9.8
  TOP w0.351: FL2.8 114.93,122.96 arc(114.98,123.22) 115.13,123.44 115.19,123.5 arc(116.58,124.08) 117.98,123.5 arc(118.54,123.12) 119.2,122.99 120.26,122.99 arc(120.8,123.22) 121.03,123.75 T10.6
N01523_CH2: length 9.9
  TOP w0.351: FL3.8 81.91,100.1 arc(81.96,100.36) 82.11,100.58 82.17,100.64 arc(83.56,101.22) 84.96,100.64 arc(85.52,100.26) 86.18,100.13 87.24,100.13 arc(87.78,100.36) 88.01,100.89 T12.6
N01523_CH3: length 9.8
  TOP w0.351: T14.6 121.03,100.89 arc(120.8,100.36) 120.26,100.13 119.2,100.13 arc(118.54,100.26) 117.98,100.64 arc(116.58,101.22) 115.19,100.64 115.13,100.58 arc(114.98,100.36) 114.93,100.1 FL4.8
N01523_CH4: length 9.9
  TOP w0.351: FL5.8 81.91,77.24 arc(81.96,77.5) 82.11,77.72 82.17,77.78 arc(83.56,78.36) 84.96,77.78 arc(85.52,77.4) 86.18,77.27 87.24,77.27 arc(87.78,77.5) 88.01,78.03 T16.6
N01523_CH5: length 9.9
  TOP w0.351: T18.6 121.03,78.03 arc(120.8,77.5) 120.26,77.27 119.2,77.27 arc(118.54,77.4) 117.98,77.78 arc(116.58,78.36) 115.19,77.78 115.13,77.72 arc(114.98,77.5) 114.93,77.24 FL6.8
N01523_CH6: length 9.9
  TOP w0.351: FL7.8 81.91,54.38 arc(81.96,54.64) 82.11,54.86 82.17,54.92 arc(83.56,55.5) 84.96,54.92 arc(85.52,54.54) 86.18,54.41 87.24,54.41 arc(87.78,54.64) 88.01,55.17 T20.6
N01523_CH7: length 9.9
  TOP w0.351: FL8.8 114.93,54.38 arc(114.98,54.64) 115.13,54.86 115.19,54.92 arc(116.58,55.5) 117.98,54.92 arc(118.54,54.54) 119.2,54.41 120.26,54.41 arc(120.8,54.64) 121.03,55.17 T22.6
N12886_CH0: length 2.6
  TOP w0.351: IC5.3 C42.1
N12886_CH1: length 2.6
  TOP w0.351: IC6.3 C54.1
N12886_CH2: length 2.6
  TOP w0.351: IC7.3 C66.1
N12886_CH3: length 2.6
  TOP w0.351: IC8.3 C78.1
N12886_CH4: length 2.6
  TOP w0.351: IC9.3 C90.1
N12886_CH5: length 2.6
  TOP w0.351: IC10.3 C102.1
N12886_CH6: length 2.6
  TOP w0.351: IC11.3 C114.1
N12886_CH7: length 2.6
  TOP w0.351: IC12.3 C126.1
N14856_CH0: length 7.7
  TOP w0.351: S1.3 95.41,122.67 arc(94.84,122.55) 94.36,122.23 arc(94.04,121.47) 94.36,120.71 95.52,119.55 arc(95.77,118.93) 95.52,118.31 arc(95.36,118.2) 95.17,118.17 C42.2
N14856_CH1: length 7.7
  TOP w0.351: C54.2 128.19,118.17 arc(128.38,118.2) 128.54,118.31 arc(128.79,118.93) 128.54,119.55 127.38,120.71 arc(127.06,121.47) 127.38,122.23 arc(127.86,122.55) 128.43,122.67 S2.3
N14856_CH2: length 7.7
  TOP w0.351: S3.3 95.41,99.81 arc(94.84,99.69) 94.36,99.37 arc(94.04,98.61) 94.36,97.85 95.52,96.69 arc(95.77,96.07) 95.52,95.45 arc(95.36,95.34) 95.17,95.31 C66.2
N14856_CH3: length 7.7
  TOP w0.351: S4.3 128.43,99.81 arc(127.86,99.69) 127.38,99.37 arc(127.06,98.61) 127.38,97.85 128.54,96.69 arc(128.79,96.07) 128.54,95.45 arc(128.38,95.34) 128.19,95.31 C78.2
N14856_CH4: length 7.7
  TOP w0.351: S5.3 95.41,76.95 arc(94.84,76.83) 94.36,76.51 arc(94.04,75.75) 94.36,74.99 95.52,73.83 arc(95.77,73.21) 95.52,72.59 arc(95.36,72.48) 95.17,72.45 C90.2
N14856_CH5: length 7.7
  TOP w0.351: S6.3 128.43,76.95 arc(127.86,76.83) 127.38,76.51 arc(127.06,75.75) 127.38,74.99 128.54,73.83 arc(128.79,73.21) 128.54,72.59 arc(128.38,72.48) 128.19,72.45 C102.2
N14856_CH6: length 7.7
  TOP w0.351: S7.3 95.41,54.09 arc(94.84,53.97) 94.36,53.65 arc(94.04,52.89) 94.36,52.13 95.52,50.97 arc(95.77,50.35) 95.52,49.73 arc(95.36,49.62) 95.17,49.59 C114.2
N14856_CH7: length 7.7
  TOP w0.351: C126.2 128.19,49.59 arc(128.38,49.62) 128.54,49.73 arc(128.79,50.35) 128.54,50.97 127.38,52.13 arc(127.06,52.89) 127.38,53.65 arc(127.86,53.97) 128.43,54.09 S8.3
N17462_CH0: length 2.4
  TOP w0.15: R22.2 82.91,126.29 arc(82.98,126.31) 83.04,126.35 83.18,126.49 arc(83.24,126.53) 83.31,126.54 R24.2 84.24,126.54 84.25,126.55 C38.1
N17462_CH1: length 2.4
  TOP w0.15: C50.1 117.27,126.55 117.26,126.54 R36.2 116.33,126.54 arc(116.26,126.53) 116.2,126.49 116.06,126.35 arc(116,126.31) 115.93,126.29 R34.2
N17462_CH2: length 2.4
  TOP w0.15: C62.1 84.25,103.69 84.24,103.68 R48.2 83.31,103.68 arc(83.24,103.67) 83.18,103.63 83.04,103.49 arc(82.98,103.45) 82.91,103.43 R46.2
N17462_CH3: length 2.4
  TOP w0.15: C74.1 117.27,103.69 117.26,103.68 R60.2 116.33,103.68 arc(116.26,103.67) 116.2,103.63 116.06,103.49 arc(116,103.45) 115.93,103.43 R58.2
N17462_CH4: length 2.4
  TOP w0.15: R70.2 82.91,80.57 arc(82.98,80.59) 83.04,80.63 83.18,80.77 arc(83.24,80.81) 83.31,80.82 R72.2 84.24,80.82 84.25,80.83 C86.1
N17462_CH5: length 2.4
  TOP w0.15: C98.1 117.27,80.83 117.26,80.82 R84.2 116.33,80.82 arc(116.26,80.81) 116.2,80.77 116.06,80.63 arc(116,80.59) 115.93,80.57 R82.2
N17462_CH6: length 2.4
  TOP w0.15: R94.2 82.91,57.71 arc(82.98,57.73) 83.04,57.77 83.18,57.91 arc(83.24,57.95) 83.31,57.96 R96.2 84.24,57.96 84.25,57.97 C110.1
N17462_CH7: length 2.4
  TOP w0.15: C122.1 117.27,57.97 117.26,57.96 R108.2 116.33,57.96 arc(116.26,57.95) 116.2,57.91 116.06,57.77 arc(116,57.73) 115.93,57.71 R106.2
N17639_CH0: length 2.4
  TOP w0.15: C40.1 84.25,127.56 84.24,127.57 R24.1 83.31,127.57 arc(83.24,127.58) 83.18,127.62 83.04,127.76 arc(82.98,127.8) 82.91,127.82 R25.2
N17639_CH1: length 2.4
  TOP w0.15: C52.1 117.27,127.56 117.26,127.57 R36.1 116.33,127.57 arc(116.26,127.58) 116.2,127.62 116.06,127.76 arc(116,127.8) 115.93,127.82 R37.2
N17639_CH2: length 2.4
  TOP w0.15: R49.2 82.91,104.96 arc(82.98,104.94) 83.04,104.9 83.18,104.76 arc(83.24,104.72) 83.31,104.71 R48.1 84.24,104.71 84.25,104.7 C64.1
N17639_CH3: length 2.4
  TOP w0.15: C76.1 117.27,104.7 117.26,104.71 R60.1 116.33,104.71 arc(116.26,104.72) 116.2,104.76 116.06,104.9 arc(116,104.94) 115.93,104.96 R61.2
N17639_CH4: length 2.4
  TOP w0.15: R73.2 82.91,82.1 arc(82.98,82.08) 83.04,82.04 83.18,81.9 arc(83.24,81.86) 83.31,81.85 R72.1 84.24,81.85 84.25,81.84 C88.1
N17639_CH5: length 2.4
  TOP w0.15: C100.1 117.27,81.84 117.26,81.85 R84.1 116.33,81.85 arc(116.26,81.86) 116.2,81.9 116.06,82.04 arc(116,82.08) 115.93,82.1 R85.2
N17639_CH6: length 2.4
  TOP w0.15: R97.2 82.91,59.24 arc(82.98,59.22) 83.04,59.18 83.18,59.04 arc(83.24,59) 83.31,58.99 R96.1 84.24,58.99 84.25,58.98 C112.1
N17639_CH7: length 2.4
  TOP w0.15: C124.1 117.27,58.98 117.26,58.99 R108.1 116.33,58.99 arc(116.26,59) 116.2,59.04 116.06,59.18 arc(116,59.22) 115.93,59.24 R109.2
N077980_CH0: length 2.6
  TOP w0.351: C41.2 IC5.1
N077980_CH1: length 2.6
  TOP w0.351: C53.2 IC6.1
N077980_CH2: length 2.6
  TOP w0.351: C65.2 IC7.1
N077980_CH3: length 2.6
  TOP w0.351: C77.2 IC8.1
N077980_CH4: length 2.6
  TOP w0.351: C89.2 IC9.1
N077980_CH5: length 2.6
  TOP w0.351: C101.2 IC10.1
N077980_CH6: length 2.6
  TOP w0.351: C113.2 IC11.1
N077980_CH7: length 2.6
  TOP w0.351: C125.2 IC12.1
N079143_CH0: length 2.8
  TOP w0.351: FL1.4 81.91,118.96 arc(81.96,118.7) 82.11,118.48 arc(82.45,118.25) 82.86,118.17 C41.1
N079143_CH1: length 2.8
  TOP w0.351: FL2.4 114.93,118.96 arc(114.98,118.7) 115.13,118.48 arc(115.47,118.25) 115.88,118.17 C53.1
N079143_CH2: length 2.8
  TOP w0.351: C65.1 82.86,95.31 arc(82.45,95.39) 82.11,95.62 arc(81.96,95.84) 81.91,96.1 FL3.4
N079143_CH3: length 2.8
  TOP w0.351: FL4.4 114.93,96.1 arc(114.98,95.84) 115.13,95.62 arc(115.47,95.39) 115.88,95.31 C77.1
N079143_CH4: length 2.8
  TOP w0.351: FL5.4 81.91,73.24 arc(81.96,72.98) 82.11,72.76 arc(82.45,72.53) 82.86,72.45 C89.1
N079143_CH5: length 2.8
  TOP w0.351: FL6.4 114.93,73.24 arc(114.98,72.98) 115.13,72.76 arc(115.47,72.53) 115.88,72.45 C101.1
N079143_CH6: length 2.8
  TOP w0.351: C113.1 82.86,49.59 arc(82.45,49.67) 82.11,49.9 arc(81.96,50.12) 81.91,50.38 FL7.4
N079143_CH7: length 2.8
  TOP w0.351: FL8.4 114.93,50.38 arc(114.98,50.12) 115.13,49.9 arc(115.47,49.67) 115.88,49.59 C125.1
SWITCH_00: length 0.8
  BOTTOM w0.124: J20.G37 v1(37.3,77.14)
SWITCH_01: length 0.8
  BOTTOM w0.124: J20.G39 v1(37.3,74.6)
SWITCH_02: length 0.8
  BOTTOM w0.124: J20.F36 v1(38.57,78.41)
SWITCH_03: length 0.8
  BOTTOM w0.124: J20.H40 v1(36.03,73.33)
SWITCH_04: length 0.8
  BOTTOM w0.124: J20.F38 v1(38.57,75.87)
SWITCH_05: length 0.8
  BOTTOM w0.124: J20.H38 v1(36.03,75.87)
SWITCH_06: length 0.8
  BOTTOM w0.124: J20.F40 v1(38.57,73.33)
SWITCH_07: length 0.8
  BOTTOM w0.124: J20.H36 v1(36.03,78.41)
VCM: length 7.2
  BOTTOM w0.124: J21.E21 v1(39.87,172.5) ; v1(43.68,172.5) J21.B21 ; J21.F21 v1(38.6,172.5) ; J21.D21 v1(41.14,172.5) ; J21.C21 v1(42.41,172.5) ; J21.A21 v1(44.95,172.5) ; J21.G21 v1(37.33,172.5) ; J21.H21 v1(36.06,172.5)
